# Altium PCB CATS-FAT..PcbDoc (part 2 of 2) (continued)
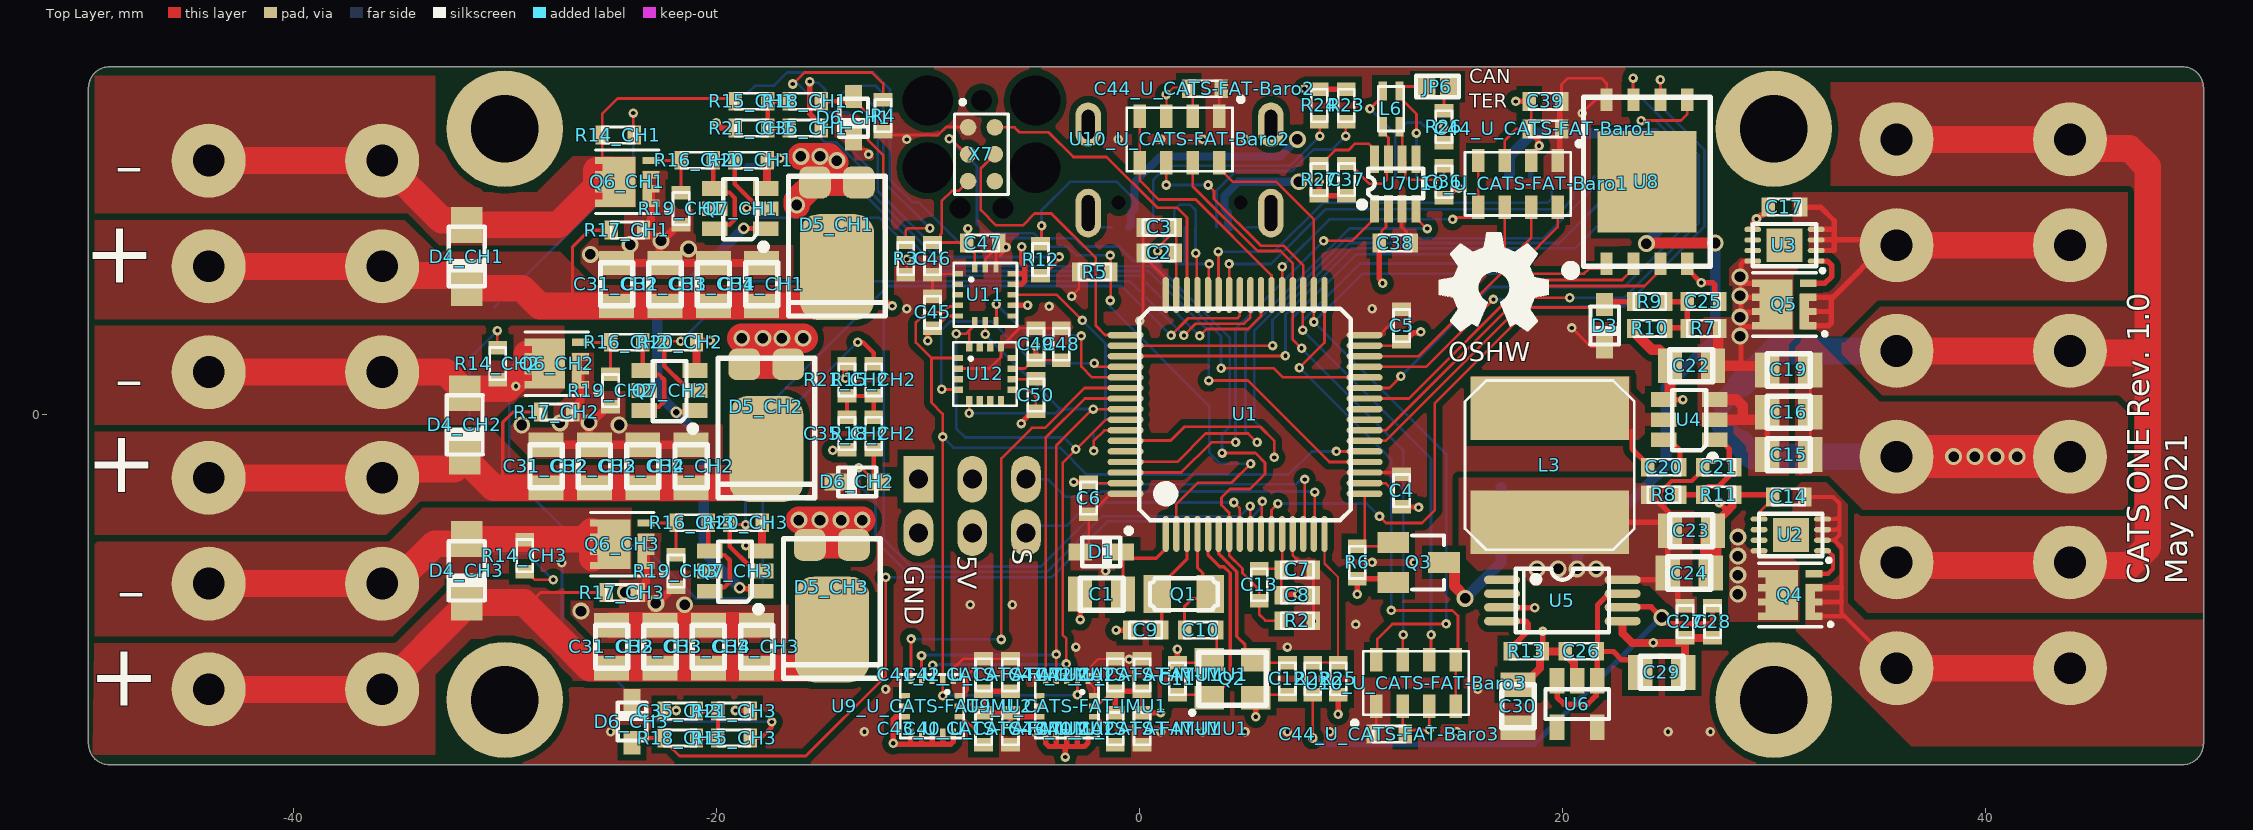
[diagram p0: Top Layer view]
## Nets (pads, with @x,y where several pads share a name; then routed paths per layer and width w, separated by ;. In a path a pad name is that pad's centre, name@x,y a point inside that pad or via, vN(x,y) a via of type N, cw(c..) or ccw(c..) an arc to the next point about the centre after c; other vN are vias at no path point) (continued)
NetR13_2: R13.2 U5.4 | length 3
  Top Layer w0.254: U5.4@17.15,-9.775 18.275,-9.775 18.4,-9.9 18.4,-10.211 17.538,-11.073 R13.2@17.538,-11.2
NetR23_2: R23.2 X8.B5 | length 9.6
  Top Layer w0.127: v1(9.754,13.157) 9.754,13.818 R23.2@9.779,13.843
  Bottom Layer w0.127: X8.B5@3.65,8.85 3.65,10.584 4.572,11.506 7.217,11.506 8.233,12.522 9.119,12.522 v1(9.754,13.157)
NetR24_2: R24.2 X8.A5 | length 11.7
  Top Layer w0.127: R24.2@8.509,13.843 8.534,13.818 v1(8.534,13.157)
  Bottom Layer w0.127: X8.A5@0.65,8.85 0.65,11.089 1.321,11.76 7.137,11.76 v1(8.534,13.157)
NetR27_2: R27.2 U7.8 | length 3.6
  Top Layer w0.127: R27.2@8.5,11.862 8.627,11.862 9.265,12.5 9.9,12.5 10.2,12.8 10.84,12.8 11.125,12.515 U7.8@11.125,12.075
PH1: C31_CH1.2 C32_CH1.2 C33_CH1.2 C34_CH1.2 D4_CH1.K D5_CH1.K R17_CH1.2 X2.2 | length 40.3
  Top Layer w0.152: -27,5.433 -27,5.533 -26.797,5.736 -26.797,7.925 -26.011,8.711 R17_CH1.2@-24.968,8.711
  Top Layer w0.381: -27,5.433 -26.698,5.131 ; C34_CH1.2@-17.856,5.131 -17.578,5.409 -15.856,5.409 D5_CH1.K@-14.3,6.965
  Top Layer w1.27: X2.2@-44,7 X2.2@-35.8,7 -35.373,6.573 D4_CH1.K@-32.308,6.573 ; D4_CH1.K@-31.8,5.965 -29.181,5.965 -28.347,5.131 -26.698,5.131 C31_CH1.2@-24.714,5.131 C32_CH1.2@-22.428,5.131 C33_CH1.2@-20.142,5.131 C34_CH1.2@-17.856,5.131 -15.514,5.131 -14.3,6.345 D5_CH1.K@-14.3,6.965
PH2: C31_CH2.2 C32_CH2.2 C33_CH2.2 C34_CH2.2 D4_CH2.K D5_CH2.K R17_CH2.2 X2.4 | length 38
  Top Layer w0.152: -30.337,-3.166 -30.337,-3.066 -30.099,-2.829 -30.099,-0.381 -29.606,0.112 R17_CH2.2@-28.305,0.112
  Top Layer w0.381: -30.337,-3.166 -30.034,-3.468 ; C34_CH2.2@-21.129,-3.405 -20.914,-3.19 -19.192,-3.19 D5_CH2.K@-17.636,-1.634
  Top Layer w1.27: X2.4@-44,-3 X2.4@-35.8,-3 -35.373,-2.573 -32.373,-2.573 -31.9,-2.1 -30.532,-3.468 -30.034,-3.468 C31_CH2.2@-28.051,-3.468 C32_CH2.2@-25.765,-3.468 C33_CH2.2@-23.479,-3.468 C34_CH2.2@-21.193,-3.468 -18.85,-3.468 -17.636,-2.254 D5_CH2.K@-17.636,-1.634
PH3: C31_CH3.2 C32_CH3.2 C33_CH3.2 C34_CH3.2 D4_CH3.K D5_CH3.K R17_CH3.2 X2.6 | length 42.2
  Top Layer w0.127: -29.098,-8.9 -28.788,-8.9 -28.312,-8.424 R17_CH3.2@-25.205,-8.424 R17_CH3.2@-25.205,-8.551 ; -27.28,-10.719 -27.28,-10.626
  Top Layer w0.381: C34_CH3.2@-18.029,-11.941 -17.815,-11.726 -16.092,-11.726 D5_CH3.K@-14.536,-10.17
  Top Layer w1.27: X2.6@-44,-13 X2.6@-35.8,-13 -31.8,-9 D4_CH3.K@-31.8,-8.9 -29.098,-8.9 -27.28,-10.719 -25.994,-12.004 C31_CH3.2@-24.951,-12.004 C32_CH3.2@-22.665,-12.004 C33_CH3.2@-20.379,-12.004 C34_CH3.2@-18.093,-12.004 -15.75,-12.004 -14.536,-10.79 D5_CH3.K@-14.536,-10.17
PL1: D4_CH1.A Q6_CH1.D R14_CH1.2 R15_CH1.2 X2.1 | length 31.1
  Top Layer w0.127: -25.679,11.532 -25.4,11.811 R14_CH1.2@-25.4,13.208 -25.4,14.199 -24.665,14.934 -19.097,14.934 R15_CH1.2@-19.097,14.807
  Top Layer w0.381: Q6_CH1.D@-25.331,12.002 Q6_CH1.D@-24.933,12.002
  Top Layer w1.27: X2.1@-44,12 X2.1@-35.8,12 -32.98,9.18 -31.915,9.18 -31.8,9.065 D4_CH1.A@-31.8,8.965 -27.468,8.965 -25.679,10.754 -25.679,11.532
PL2: D4_CH2.A Q6_CH2.D R14_CH2.2 R15_CH2.2 X2.3 | length 50.4
  Top Layer w0.203: v1(-13.319,3.414) -13.065,3.414 -12.557,2.906 R15_CH2.2@-12.557,2.398
  Top Layer w1.27: X2.3@-44,2 X2.3@-35.8,2 -32.8,2 D4_CH2.A@-31.9,1.1 ; D4_CH2.A@-31.9,1 D4_CH2.A@-31.9,1.1 ; -29.899,1.215 -31.785,1.215 D4_CH2.A@-31.9,1.1 ; -29.857,1.257 -28.956,2.158 Q6_CH2.D@-28.956,2.87
  Bottom Layer w0.127: v1(-29.473,1.334) -29.791,1.016 -29.791,-2.809 -26.4,-6.2 -23.465,-6.2 -20.965,-8.7 -18.4,-8.7 -17.8,-8.1 -17.8,-1.068 v1(-13.319,3.414)
PL3: D4_CH3.A Q6_CH3.D R14_CH3.2 R15_CH3.2 X2.5 | length 37.9
  Top Layer w0.127: v1(-27.305,-7.01) -27.305,-6.027 -27.178,-5.9
  Top Layer w0.203: R15_CH3.2@-18.4,-15.3 -17.892,-15.3 -17.384,-14.792 v1(-17.384,-14.538)
  Top Layer w1.27: X2.5@-44,-8 X2.5@-35.8,-8 -35.197,-8 -33.312,-6.115 -31.915,-6.115 -31.8,-6 D4_CH3.A@-31.8,-5.9 -27.178,-5.9 -26.271,-5.9 -25.908,-5.537 -25.857,-5.588 -25.857,-6.138 -25.857,-6.782
  Bottom Layer w0.127: v1(-27.305,-7.01) -27.296,-7.02 -27.296,-10.004 -22.762,-14.538 v1(-17.384,-14.538)
PYRO1: Q7_CH1.2 R20_CH1.2 U1.39 | length 32.1
  Top Layer w0.127: v1(-18.567,9.754) -17.698,9.754 Q7_CH1.2@-17.672,9.727 ; v1(2.845,3.708) 3.175,4.039 5.141,4.039 5.75,4.648 U1.39@5.75,5.65
  Top Layer w0.203: R20_CH1.2@-19.126,12.013 -19.126,10.894 -18.208,9.976 -17.92,9.976 Q7_CH1.2@-17.698,9.754
  Bottom Layer w0.127: v1(-18.567,9.754) -18.114,9.3 -12.3,9.3 -9.553,6.553 0,6.553 v1(2.845,3.708)
PYRO2: Q7_CH2.2 R20_CH2.2 U1.40 | length 34.4
  Top Layer w0.127: R20_CH2.2@-22.463,3.414 -22.422,3.454 v1(-21.692,3.454) ; v1(2.108,3.734) 2.667,4.293 4.953,4.293 5.25,4.59 U1.40@5.25,5.65
  Top Layer w0.203: R20_CH2.2@-22.463,3.414 -22.463,2.295 -21.544,1.376 -21.257,1.376 Q7_CH2.2@-21.009,1.128
  Bottom Layer w0.127: v1(-21.692,3.454) -18.847,6.299 -0.457,6.299 v1(2.108,3.734)
PYRO3: Q7_CH3.2 R20_CH3.2 U1.41 | length 36.9
  Top Layer w0.127: R20_CH3.2@-19.363,-5.122 -19.278,-5.207 v1(-18.618,-5.207) ; v1(1.499,3.734) 2.311,4.547 4.63,4.547 4.75,4.666 U1.41@4.75,5.65
  Top Layer w0.203: R20_CH3.2@-19.363,-5.122 -19.363,-6.241 -18.444,-7.16 -18.157,-7.16 Q7_CH3.2@-17.909,-7.408
  Bottom Layer w0.127: v1(-18.618,-5.207) -18.618,-0.66 -11.887,6.071 -0.838,6.071 v1(1.499,3.734)
QSPI_CLK: U1.29 U8.6 | length 27.8
  Top Layer w0.127: U1.29@10.65,2.25 13.553,2.25 v1(16.739,5.436) ; U8.6@24.635,14.875 24.638,14.878 v1(24.638,15.824)
  Bottom Layer w0.127: v1(16.739,5.436) 17.348,5.436 17.688,5.096 20.826,5.096 20.835,5.105 22.936,5.105 26.721,8.89 26.721,12.496 24.638,14.579 v1(24.638,15.824)
QSPI_IO0: U1.27 U8.5 | length 27.8
  Top Layer w0.127: U1.27@10.65,1.25 11.816,1.25 v1(12.37,1.803) ; v1(23.724,13.894) 25.603,13.894 25.908,14.199 25.908,14.872 U8.5@25.905,14.875
  Bottom Layer w0.127: v1(12.37,1.803) 16.586,6.02 22.911,6.02 26.137,9.246 26.137,12.167 24.409,13.894 v1(23.724,13.894)
QSPI_IO1: U1.26 U8.2 | length 15.5
  Top Layer w0.127: U1.26@10.65,0.75 12.739,0.75 18.339,6.35 22.83,6.35 23.365,6.885 U8.2@23.365,7.125
QSPI_IO2: U1.23 U8.3 | length 17.1
  Top Layer w0.127: U1.23@10.65,-0.75 11.671,-0.75 18.496,6.075 23.885,6.075 U8.3@24.635,6.825
QSPI_IO3: U1.22 U8.7 | length 29.2
  Top Layer w0.127: U1.22@10.65,-1.25 11.628,-1.25 18.39,5.512 v1(20.345,5.512) ; v1(23.343,15.9) 23.343,14.897 U8.7@23.365,14.875
  Bottom Layer w0.127: v1(20.345,5.512) 22.911,5.512 26.441,9.042 26.441,12.259 23.343,15.357 v1(23.343,15.9)
QSPI_NCS: U1.30 U8.1 | length 13.4
  Top Layer w0.127: U1.30@10.65,2.75 13.189,2.75 17.094,6.655 21.031,6.655 21.261,6.885 22.095,6.885 U8.1@22.095,7.125
RST: C13.2 R2.1 U1.7 X7.3 | length 38.2
  Top Layer w0.127: v1(-8.992,13.03) -8.911,13.03 -8.181,12.3 X7.3@-8.1,12.3 ; v1(3.912,-1.829) 5.486,-1.829 5.944,-2.286 5.944,-2.819 5.232,-3.531 4.293,-3.531 3.886,-3.937 3.886,-4.293 4.25,-4.656 U1.7@4.25,-5.65 4.25,-6.663 4.877,-7.29 4.877,-7.505 5.668,-8.296 C13.2@5.668,-8.816 5.668,-9.454 5.968,-9.754 R2.1@6.706,-9.754
  Bottom Layer w0.127: v1(-8.992,13.03) -7.672,11.711 -7.672,8.993 -7.248,8.569 -5.013,8.569 -4.775,8.331 -3.073,8.331 -2.676,7.934 -0.974,7.934 -0.305,7.264 0.628,7.264 4.276,3.616 4.276,-0.575 3.912,-0.94 v1(3.912,-1.829)
SERVO1: U1.14 X4.5 | length 16.5
  Top Layer w0.127: U1.14@7.75,-5.65 7.823,-5.577 v1(7.823,-3.073)
  Bottom Layer w0.127: X4.5@-5.36,-3.06 -4.34,-3.06 -3.5,-3.9 -2.698,-3.9 -2.1,-3.302 7.402,-3.302 7.631,-3.073 v1(7.823,-3.073)
SERVO2: U1.15 X4.6 | length 16.5
  Top Layer w0.127: U1.15@8.25,-5.65 8.293,-5.607 v1(8.293,-3.67)
  Bottom Layer w0.127: X4.6@-5.36,-5.6 -5.024,-5.263 -3.415,-5.263 -1.8,-3.648 8.271,-3.648 v1(8.293,-3.67)
SPI1_MISO: U1.56 U9_U_CATS-FAT-IMU1.4 U9_U_CATS-FAT-IMU2.4 U11.7 U12.5 | length 34.6
  Top Layer w0.127: U9_U_CATS-FAT-IMU2.4@-10.3,-12.5 v1(-10.3,-11.4) ; v1(-8.052,0.051) -8.047,0.056 -8.047,0.636 U12.5@-8.042,0.641 ; v1(-7.29,3.785) -7.281,3.793 U11.7@-7.281,4.354 ; U9_U_CATS-FAT-IMU1.4@-3.929,-12.5 -3.929,-1.465 -3.394,-0.93 -2.214,0.25 U1.56@-0.65,0.25
  Bottom Layer w0.127: v1(-10.3,-11.4) -10.275,-11.375 -3.95,-11.375 v1(-3.925,-11.35) ; v1(-8.052,0.051) -3.962,0.051 -3.759,0.254 ; v1(-7.29,3.785) -3.759,0.254 ; v1(-2.184,0.254) -3.759,0.254
SPI1_MOSI: U1.57 U9_U_CATS-FAT-IMU1.3 U9_U_CATS-FAT-IMU2.3 U11.6 U12.16 | length 33.6
  Top Layer w0.127: U9_U_CATS-FAT-IMU2.3@-9.8,-12.5 -9.787,-12.487 -9.787,-11.862 v1(-9.775,-11.85) ; v1(-8.661,3.81) -8.2,3.81 -8.042,3.968 ; U12.16@-8.042,3.191 -8.042,3.968 ; U11.6@-7.781,4.354 -7.781,4.229 -8.042,3.968 ; U9_U_CATS-FAT-IMU1.3@-3.429,-12.5 -3.45,-12.479 v1(-3.45,-11.8) -3.45,-10.6 -3.625,-10.425 -3.625,-2.304 -1.571,-0.25 U1.57@-0.65,-0.25
  Bottom Layer w0.127: v1(-9.775,-11.85) -9.75,-11.825 -3.475,-11.825 v1(-3.45,-11.8) ; v1(-8.661,3.81) -8.661,-0.66 -8.23,-1.092 -3.556,-1.092 v1(-2.997,-1.651)
SPI1_SCK: U1.21 U9_U_CATS-FAT-IMU1.2 U9_U_CATS-FAT-IMU2.2 U11.4 U12.1 | length 50
  Top Layer w0.127: v1(-9.3,-13.3) U9_U_CATS-FAT-IMU2.2@-9.3,-12.5 -9.3,0.029 -9.83,0.559 -9.83,2.666 ; U11.4@-8.581,5.154 -8.63,5.105 -8.992,5.105 -9.271,4.826 -10.084,4.826 -10.566,4.343 -10.566,3.403 -9.83,2.666 ; U12.1@-8.567,2.666 -9.83,2.666 ; U9_U_CATS-FAT-IMU1.2@-2.929,-12.5 -2.927,-12.502 -2.927,-13.248 v1(-2.925,-13.25) ; v1(9.319,-1.75) U1.21@10.65,-1.75
  Bottom Layer w0.127: v1(-9.3,-13.3) -9.275,-13.275 -2.95,-13.275 v1(-2.925,-13.25) ; v1(-9.296,-1.067) -8.788,-1.575 -3.759,-1.575 -2.489,-2.845 7.061,-2.845 8.156,-1.75 v1(9.319,-1.75)
SPI2_MISO: U1.35 U10_U_CATS-FAT-Baro1.6 U10_U_CATS-FAT-Baro2.6 U10_U_CATS-FAT-Baro3.6 | length 43.9
  Top Layer w0.127: v1(1.27,10.846) 1.27,11.895 U10_U_CATS-FAT-Baro2.6@1.275,11.9 ; v1(3.251,10.846) 3.531,10.566 3.531,10.185 5.74,7.976 6.807,7.976 7.75,7.033 U1.35@7.75,5.65 7.722,5.622 v1(7.722,3.988) ; U10_U_CATS-FAT-Baro3.6@13.706,-11.6 13.792,-11.514 v1(13.792,-10.414) ; v1(16.612,7.137) 17.275,7.801 U10_U_CATS-FAT-Baro1.6@17.275,9.8
  Bottom Layer w0.127: v1(1.27,10.846) v1(3.251,10.846) ; v1(13.792,-10.414) 13.792,-2.083 v1(7.722,3.988) 7.722,4.423 10.436,7.137 v1(16.612,7.137)
SPI2_MOSI: U1.36 U10_U_CATS-FAT-Baro1.7 U10_U_CATS-FAT-Baro2.7 U10_U_CATS-FAT-Baro3.7 | length 44.6
  Top Layer w0.127: U10_U_CATS-FAT-Baro2.7@2.525,11.9 2.525,10.785 5.588,7.722 6.68,7.722 7.25,7.152 U1.36@7.25,5.65 7.25,3.545 v1(7.671,3.124) ; U10_U_CATS-FAT-Baro3.7@12.456,-11.6 12.456,-10.429 v1(12.471,-10.414) ; v1(17.323,7.137) 18.525,8.34 U10_U_CATS-FAT-Baro1.7@18.525,9.8
  Bottom Layer w0.127: v1(12.471,-10.414) 12.471,-1.676 v1(7.671,3.124) 7.214,3.581 7.214,4.547 10.236,7.569 16.866,7.569 17.297,7.137 v1(17.323,7.137)
SPI2_SCK: U1.34 U10_U_CATS-FAT-Baro1.8 U10_U_CATS-FAT-Baro2.8 U10_U_CATS-FAT-Baro3.8 | length 46.3
  Top Layer w0.127: U10_U_CATS-FAT-Baro2.8@3.775,11.9 3.775,11.65 4.427,10.998 6.477,10.998 8.25,9.225 U1.34@8.25,5.65 8.252,5.648 8.252,4.371 v1(8.255,4.369) ; U10_U_CATS-FAT-Baro3.8@11.206,-11.6 11.252,-11.554 11.252,-10.614 11.96,-9.906 v1(14.503,-9.906) ; v1(18.059,7.137) 19.775,8.853 U10_U_CATS-FAT-Baro1.8@19.775,9.8
  Bottom Layer w0.127: v1(14.503,-9.906) 14.503,-1.88 v1(8.255,4.369) 10.541,6.655 17.577,6.655 v1(18.059,7.137)
SWCLK: U1.49 X7.4 | length 14.5
  Top Layer w0.127: X7.4@-6.83,12.3 -7.493,11.637 -7.493,9.66 -6.774,8.941 -5.512,8.941 -4.953,9.5 -4.166,9.5 -2.057,7.391 -2.057,4.191 -1.616,3.75 U1.49@-0.65,3.75
SWDIO: U1.46 X7.2 | length 14.5
  Top Layer w0.127: X7.2@-6.83,13.57 -5.905,13.57 -5.674,13.339 -4.295,13.339 -3.122,12.167 -1.549,12.167 0.846,9.771 1.786,9.771 2.25,9.307 U1.46@2.25,5.65
UART1_RX: U1.43 X6.3 | length 19.9
  Top Layer w0.127: v1(3.734,7.696) 3.742,7.688 3.742,5.658 U1.43@3.75,5.65
  Bottom Layer w0.127: v1(3.734,7.696) 6.375,7.696 8.679,10 19.3,10 19.5,10.2 X6.3@19.5,11.25
UART1_TX: U1.42 X6.4 | length 20.1
  Top Layer w0.127: v1(4.242,7.112) 4.246,7.108 4.246,5.654 U1.42@4.25,5.65
  Bottom Layer w0.127: v1(4.242,7.112) 6.223,7.112 8.811,9.7 20,9.7 20.5,10.2 X6.4@20.5,11.25
USB_DET: R22.2 R25.1 U1.16 | length 7.4
  Top Layer w0.102: R22.2@8.2,-11.738 R25.1@9.273,-11.738 ; U1.16@8.75,-5.65 8.75,-7.048 9.4,-7.698 R25.1@9.4,-11.738
USB_N: U1.44 X8.A7 X8.B7 | length 6.8
  Top Layer w0.127: U1.44@3.25,5.65 3.276,5.676 3.276,7.086 v1(3.302,7.112)
  Bottom Layer w0.127: X8.B7@1.15,8.85 1.15,8.023 1.279,7.894 1.279,7.56 1.727,7.112 2.159,7.112 ; X8.A7@2.15,8.85 2.15,7.121 2.159,7.112 ; v1(3.302,7.112) 2.159,7.112
USB_P: U1.45 X8.A6 X8.B6 | length 6.1
  Top Layer w0.127: v1(2.667,7.62) 2.712,7.575 2.712,5.688 U1.45@2.75,5.65
  Bottom Layer w0.127: X8.A6@1.65,8.85 1.65,9.651 1.905,9.906 2.413,9.906 2.667,9.652 2.667,8.85 2.658,8.842 2.658,7.629 v1(2.667,7.62)
V_BAT: D3.A R9.1 U1.11 | length 26.1
  Top Layer w0.127: U1.11@6.25,-5.65 6.25,-4.52 v1(6.553,-4.216) ; v1(11.354,-4.826) 11.659,-5.131 13.36,-5.131 13.97,-4.521 13.97,0.533 18.487,5.05 22,5.05 D3.A@22,5.2
  Top Layer w0.254: D3.A@22,5.2 22.134,5.334 R9.1@23.368,5.334
  Bottom Layer w0.127: v1(6.553,-4.216) 10.744,-4.216 v1(11.354,-4.826)
V_PYRO1: D6_CH1.A R18_CH1.1 U1.8 | length 43.1
  Top Layer w0.127: D6_CH1.A@-13.411,14.783 -12.827,14.199 -12.827,12.979 -12.116,12.268 -12.116,8.81 -11.963,8.658 -11.963,5.439 -11.684,5.16 v1(-11.684,5.131) ; v1(4.47,-4.166) 4.75,-4.445 U1.8@4.75,-5.65
  Top Layer w0.203: R18_CH1.1@-15.033,14.807 -13.731,14.807 D6_CH1.A@-13.509,15.029
  Bottom Layer w0.127: v1(-11.684,5.131) -12.09,4.724 -12.09,-5.893 -10.795,-7.188 -4.648,-7.188 -1.626,-4.166 v1(4.47,-4.166)
V_PYRO2: D6_CH2.A R18_CH2.1 U1.9 | length 27.2
  Top Layer w0.127: v1(-13.259,-2.515) -13.197,-2.576 -13.098,-2.576 -12.595,-3.079 D6_CH2.A@-12.445,-3.079 ; v1(5.232,-4.343) 5.241,-4.352 5.241,-5.641 U1.9@5.25,-5.65
  Top Layer w0.203: R18_CH2.1@-12.557,-1.666 -12.557,-2.968 D6_CH2.A@-12.445,-3.079
  Bottom Layer w0.127: v1(-13.259,-2.515) -13.259,-3.327 -12.471,-4.115 -12.471,-5.969 -10.998,-7.442 -4.369,-7.442 -1.736,-4.81 4.766,-4.81 v1(5.232,-4.343)
V_PYRO3: D6_CH3.A R18_CH3.1 U1.10 | length 39.8
  Top Layer w0.127: R18_CH3.1@-22.464,-15.3 -22.464,-15.427 -22.047,-15.844 -22.047,-15.85 -21.742,-16.154 -15.773,-16.154 -11.989,-12.37 v1(-11.989,-7.696) ; U1.10@5.75,-5.65 5.783,-5.617 5.783,-4.148 v1(5.817,-4.115)
  Top Layer w0.203: D6_CH3.A@-23.988,-15.522 -23.766,-15.3 R18_CH3.1@-22.464,-15.3
  Bottom Layer w0.127: v1(-11.989,-7.696) -4.14,-7.696 -1.499,-5.055 5.131,-5.055 5.755,-4.431 5.755,-4.177 v1(5.817,-4.115)
VBAT: C15.2 C16.2 C19.2 C22.2 D5_CH1.A D5_CH2.A D5_CH3.A Q4.D Q5.D R7.2 U2.8 U3.8 U4.2 U4.3 | length 36.5
  Top Layer w0.254: 28.448,2.3 v2@28.448,4.064 ; v2@28.592,5.537 Q5.D@29.371,5.537 ; v2@28.597,6.205 Q5.D@29.375,6.205 29.423,6.157 29.648,6.157 29.648,5.652 Q5.D@29.765,5.535 ; U3.8@29,7.25 28.998,7.248 28.597,7.248 28.448,7.099 v2@28.448,4.677 ; Q5.D@29.375,4.826 28.597,4.826 v2@28.448,4.677 ; Q5.D@29.452,4.147 28.531,4.147 v2@28.448,4.064 ; C15.2@29.684,-1.9 C16.2@29.684,0.068 ; v2@28.448,4.064 v2@28.448,4.677
  Top Layer w0.508: U4.2@27.2,-0.25 28.524,-0.25 ; U4.3@27.2,0.7 28.227,0.7 28.524,0.402 28.524,-0.25 ; R7.2@27.362,4.1 27.362,2.546 C22.2@27.116,2.3 28.448,2.3 29.484,2.3 C19.2@29.684,2.1 ; C16.2@29.684,0.068 29.366,-0.25 28.524,-0.25
  Top Layer w1.27: v2(-16.2,9.9) -16.2,10.105 D5_CH1.A@-15.34,10.965 D5_CH1.A@-13.26,10.965 ; v2(-16.1,-5) v2(-15.1,-5) v2(-14.1,-5) v2(-13.1,-5) ; v2(-16,12.2) v2(-15.1,12.2) -14.672,12.2 v2@-14.386,11.914 ; D5_CH3.A@-15.576,-6.17 D5_CH3.A@-13.496,-6.17
  Top Layer w1.397: v2(-18.8,3.6) v2(-17.8,3.6) v2(-16.9,3.6) v2(-15.9,3.6) ; D5_CH2.A@-18.676,2.366 D5_CH2.A@-16.596,2.366
  other v2: 28.3,-8.5 28.3,-7.6 28.3,-6.7 28.3,-5.8 28.4,3.7 28.4,4.6 28.4,5.6 28.4,6.5 -14.3,12
VBUS: C28.2 R12.2 R22.1 U5.6 X8.A4B9 X8.B4A9 | length 102.5
  Top Layer w0.127: R12.2@-4.674,8.077 -4.623,8.128 v1(-4.623,8.915) ; v1(8.2,-15.3) 8.2,-13.462 8.1,-13.362 R22.1@8.2,-13.262
  Top Layer w0.254: U5.6@22.85,-9.125 22.875,-9.1 24.2,-9.1 v2(24.7,-9.6) 25,-9.9 27.1,-9.9 C28.2@27.1,-9.038
  Mid Layer 2 w0.762: v2(7.544,10.998) 7.544,11.008 7.468,11.085 v2(7.468,13.005) 7.475,13.012 7.475,14.038 8.97,15.533 21.957,15.533 22.682,14.808 24.092,14.808 26.594,12.306 26.594,10.789 30.175,7.207 30.175,-8.825 29,-10 25.1,-10 v2(24.7,-9.6)
  Bottom Layer w0.127: v1(-4.623,8.915) -4.623,9.652 -3.277,10.998 -1.065,10.998 -0.352,10.284
  Bottom Layer w0.254: v1(8.2,-15.3) 8.5,-15.6 18.661,-15.6 24.661,-9.6 v2(24.7,-9.6)
  Bottom Layer w0.381: X8.A4B9@-0.5,8.85 -0.391,8.959 -0.391,9.537 -0.225,9.703 -0.225,10.976 1,12.2 6.663,12.2 v2(7.468,13.005) ; X8.B4A9@4.3,8.85 4.19,8.959 4.19,9.537 4.024,9.703 4.024,10.337 4.686,10.998 v2(7.544,10.998)
pads on no net: LS1.NC Q7_CH1.5 Q7_CH2.5 Q7_CH3.5 U1.24 U1.25 U1.60 U2.6 U2.7 U2.PAD U3.6 U3.7 U3.PAD U5.1 U5.2 U6.4 U7.5 U8.PAD U9_U_CATS-FAT-IMU1.6 U9_U_CATS-FAT-IMU1.7 U9_U_CATS-FAT-IMU2.6 U9_U_CATS-FAT-IMU2.7 U11.2 U11.3 U11.9 U12.3 U12.6 U12.7 U12.8 U12.12 U12.14 U12.15 X3.NC X6.NC X7.6 X7.NC X8.A8 X8.B8 X8.NC

## Polygon pours and split planes (outlines as drawn)
3V3 on Top Layer "Top Layer-No Net1" (solid, remove dead copper, pour order 53): -48.686,-16.566 cw(c-48.686,-15.566) -49.686,-15.566 -49.686,15.434 cw(c-48.686,15.434) -48.686,16.434 49.314,16.434 cw(c49.314,15.434) 50.314,15.434 50.314,-15.566 cw(c49.314,-15.566) 49.314,-16.566
NetC17_2 on Top Layer "Top Layer-NetC17_2" (solid, remove dead copper, pour order 43): 31.1,3.7 33.2,3.7 34.9,5.4 47,5.4 47,10.3 46.8,10.5 30.9,10.5 30.9,3.9
NetC14_2 on Top Layer "Top Layer-NetC14_2" (solid, remove dead copper, pour order 39): 50.3,-9.7 34.3,-9.7 33.5,-8.9 33.5,-4.1 32.5,-3.1 31.4,-3.1 30.9,-3.6 30.9,-10.1 36.5,-15.7 50.3,-15.7
GND on Top Layer "Top Layer-GND" (solid, remove dead copper, pour order 36): -25.7,9.8 -27.5,8 -27.5,7.9 -25.8,6.2 -25.8,6.1 -16.186,6.1 -16.2,6.114 -16.2,8 -20.5,8 -21.1,8.6 -21.1,9.7 -21.8,9.7 -22.3,10.2 -22.3,11.7 -23.8,11.7 -23.8,9.8
GND on Top Layer "Top Layer-GND 1" (solid, remove dead copper, pour order 34): -27.6,0.8 -29.3,0.8 -30.6,-0.5 -30.6,-0.7 -28.9,-2.4 -19.6,-2.4 -19.6,-0.5 -24,-0.5 -24.3,-0.2 -24.3,1.1 -25.3,1.1 -25.8,1.6 -25.8,3.1 -27.2,3.1 -27.2,1.2
GND on Top Layer "Top Layer-GND 2" (solid, remove dead copper, pour order 32): -27.2,-7.5 -27.2,-9.6 -25.7,-11.1 -16.5,-11.1 -16.5,-9 -21,-9 -21.2,-8.8 -21.2,-7.4 -22.3,-7.4 -22.6,-7.1 -22.6,-5.5 -24,-5.5 -24,-7.5
PH3 on Top Layer "Top Layer-PH3" (solid, remove dead copper, pour order 30): -49.4,-10.5 -35.3,-10.5 -32.3,-7.5 -27.2,-7.5 -27.2,-9.6 -25.7,-11.1 -15.6,-11.1 -15.6,-12.6 -26.8,-12.6 -26.8,-12.5 -28.7,-10.6 -31.6,-10.6 -33.3,-12.3 -33.3,-16.1 -49.495,-16.1
PL3 on Top Layer "Top Layer-PL3" (solid, remove dead copper, pour order 28): -49.4,-5.7 -35.6,-5.7 -34,-4.1 -24,-4.1 -24,-7.5 -25.4,-7.5 -32.3,-7.5 -35.3,-10.5 -49.4,-10.5
PL2 on Top Layer "Top Layer-PL2" (solid, remove dead copper, pour order 24): -49.4,4.5 -27.2,4.5 -27.2,1.2 -27.6,0.8 -29.3,0.8 -30.6,-0.5 -49.4,-0.5
VBAT on Top Layer "Top Layer-VBAT" (solid, remove dead copper, pour order 14): 31.2,-9.8 27.8,-9.8 27.8,-5 28.3,-4.5 28.9,-4.5 28.9,-6.1 29,-6.2 29.6,-6.2 29.8,-6.4 29.8,-6.8 30.9,-6.8 31.2,-7.1
5V on Top Layer "Top Layer-5V" (solid, remove dead copper, pour order 12): 15.1,-3 15.1,-6.5 16,-7.4 17.9,-7.4 18.6,-8.1 24.1,-8.1 25.4,-9.4 26.4,-9.4 26.4,-4.6 26.2,-4.4 25.4,-4.4 23.6,-3
VBAT on Top Layer "Top Layer-VBAT 1" (solid, remove dead copper, pour order 0): 31.1,7.4 28.4,7.4 27.9,6.9 27.9,4.8 26.9,4.8 26.4,4.3 26.4,-0.4 26.8,-0.8 28,-0.8 28.7,-1.5 28.7,-2.9 30.7,-2.9 30.7,3.3 31.1,3.7
BGND on Top Layer "Top Layer-BGND" (solid, remove dead copper, pour order 49): 32.7,10.5 32.7,15.7 50.3,15.7 50.3,-9.7 34.3,-9.7 33.5,-8.9 33.5,-4.6 33.6,-4.5 46.5,-4.5 46.8,-4.2 46.8,0 46.2,0.6 35,0.6 33.2,2.4 33.2,3.7 34.9,5.4 47,5.4 47,10.3 46.8,10.5
GND on Top Layer "Top Layer-GND 3" (solid, remove dead copper, pour order 16): 31.1,3.7 30.7,3.3 30.7,-2.9 32.6,-2.9 34.2,-4.5 46.5,-4.5 46.8,-4.2 46.8,0 46.2,0.6 35,0.6 31.9,3.7
PH2 on Top Layer "Top Layer-PH2" (solid, remove dead copper, pour order 26): -49.4,-0.5 -30.6,-0.5 -30.6,-0.7 -28.9,-2.4 -19.1,-2.4 -19.1,-4.1 -34,-4.1 -35.6,-5.7 -49.4,-5.7
PH1 on Top Layer "Top Layer-PH1" (solid, remove dead copper, pour order 22): -49.4,9.5 -34.6,9.5 -33.1,8 -27.7,8 -25.8,6.1 -15.6,6.1 -15.6,4.5 -49.4,4.5
PL1 on Top Layer "Top Layer-PL1" (solid, remove dead copper, pour order 20): -49.4,16 -49.4,9.5 -34.6,9.5 -33.1,8 -27.5,8 -25.7,9.8 -23.8,9.8 -23.8,12.2 -26.8,12.2 -28.5,10.5 -31,10.5 -33.3,12.8 -33.3,16
NetC20_2 on Top Layer "Top Layer-NetC20_2" (solid, remove dead copper, pour order 18): 15.7,1.8 15.7,-1.2 23.6,-1.2 24.2,-0.6 25.5,-0.6 25.5,0.2 24.1,0.2 23.2,1.1 23.2,1.8
3V3 on Mid Layer 2 "Top Layer-No Net2" (solid, remove dead copper, pour order 54): -48.686,-16.566 cw(c-48.686,-15.566) -49.686,-15.566 -49.686,15.434 cw(c-48.686,15.434) -48.686,16.434 49.314,16.434 cw(c49.314,15.434) 50.314,15.434 50.314,-15.566 cw(c49.314,-15.566) 49.314,-16.566
5V on Mid Layer 2 "Mid Layer 2-5V" (solid, remove dead copper, pour order 51): -8.95,-1.4 -9,-1.45 -9,-7.1 -7.9,-8.2 -3.8,-8.2 -1.8,-6.2 18.2,-6.2 18.2,-8 22.1,-8 23.9,-6.2 23.9,-5.3 20,-1.4
VBAT on Mid Layer 2 "Mid Layer 2-VBAT" (solid, remove dead copper, pour order 8): 29.4,7.1 27.4,7.1 23.1,2.8 -11.1,2.8 -13.15,4.85 -13.15,12.9 -16.5,12.9 -16.6,13 -16.6,6.7 -19.6,3.7 -19.6,-5.1 -16.8,-7.9 -11.7,-7.9 -11.7,-2 -11.1,-1.4 20,-1.4 27.7,-9.1 29.4,-9.1
GND on Bottom Layer "Top Layer-No Net" (solid, remove dead copper, pour order 58): -48.686,-16.566 cw(c-48.686,-15.566) -49.686,-15.566 -49.686,15.434 cw(c-48.686,15.434) -48.686,16.434 49.314,16.434 cw(c49.314,15.434) 50.314,15.434 50.314,-15.566 cw(c49.314,-15.566) 49.314,-16.566
GND on Mid Layer 1 "Top Layer-No Net3" (solid, remove dead copper, pour order 59): -48.686,-16.566 cw(c-48.686,-15.566) -49.686,-15.566 -49.686,15.434 cw(c-48.686,15.434) -48.686,16.434 49.314,16.434 cw(c49.314,15.434) 50.314,15.434 50.314,-15.566 cw(c49.314,-15.566) 49.314,-16.566

## Silkscreen, mask and mechanical layers (free items; w line width, h text height)
Top Overlay:
  region: 2511 vertices and 0 holes, not listed, extent 14.161,3.928 19.367,8.607
  text "CAN / TER" at 15.6,14.266 h1.14
  text "-" at -47.025,9.591 h5.08
  text "+" at -46.5,5.261 h5.08
  text "OSHW" at 14.613,2.2 h1.52
  text "-" at -47.025,-0.509 h5.08
  text "+" at -46.4,-4.639 h5.08
  text "S" at -6.3,-6.353 h1.52 r270
  text "5V" at -8.9,-6.653 h1.52 r270
  text "GND" at -11.4,-7.153 h1.52 r270
  text "CATS ONE Rev. 1.0 / May 2021" at 49.905,-8.025 h1.8 r90
  text "-" at -46.925,-10.509 h5.08
  text "+" at -46.3,-14.739 h5.08
Bottom Overlay:
  drawing of 65 lines, arcs and shapes, not listed
  text "STATUS" at -14.578,12.6 h1.52 r90
  text "FAULT" at -13.178,12.6 h1.52 r90
  text "USB" at -11.878,12.6 h1.52 r90
  text "5V" at 17.169,7.7 h1.14 r270
  text "RX" at 19.186,7.7 h1.14 r270
  text "TX" at 20.086,7.7 h1.14 r270
  text "IO1" at 21.158,7.6 h1.14 r270
  text "IO2" at 22.158,7.6 h1.14 r270
  text "IO3" at 23.158,7.6 h1.14 r270
  text "GND" at 10.658,7.4 h1.14 r270
  text "GND" at 18.158,7.3 h1.14 r270
  text "GND" at 24.258,7.3 h1.14 r270
  text "-" at 31.475,7.091 h5.08
  text "CANH" at 11.658,7 h1.14 r270
  text "CANL" at 12.758,7 h1.14 r270
  text "CH1" at -27.2,4.9 h1.52
  text "GROUND" at -9.653,4.625 h1.52 r90
  text "SIGNAL" at -4.653,3.925 h1.52 r90
  text "+" at 32,3.861 h5.08
  text "POWER" at -7.053,3.825 h1.52 r90
  text "SW" at 31.7,0.678 h1.52
  text "CH2" at -27.1,-1 h1.52
  text "Error Codes" at 14.8,-1.2 h2.03
  text "SW" at 31.7,-2.522 h1.52
  text "CH2" at -12.3,-3.822 h1.52
  text "NO CONFIG" at 14.7,-4.2 h1.14
  text "NO PYRO DET" at 14.7,-5.7 h1.14
  text "CH1" at -12.3,-6.4 h1.52
  text "CH3" at -27,-6.7 h1.52
  text "-" at 31.5,-7.109 h5.08
  text "LOG FULL" at 14.7,-7.2 h1.14
  text "BAT LOW" at 14.7,-8.8 h1.14
  text "BAT CRITICAL" at 14.7,-10.3 h1.14
  text "+" at 32,-10.439 h5.08
  text "SERVO" at -11.8,-10.9 h1.52 r90
  text "IMU ERROR" at 14.7,-11.8 h1.14
  text "BARO ERROR" at 14.7,-13.3 h1.14
  text "LUCA JOST" at -14.85,-13.95 h1.14
  text "JONAS BINZ" at -14.85,-15.1 h1.14
  text "FILTER ERROR" at 14.7,-15.56 h1.14
  text "HARD FAULT" at 14.7,-16.3 h1.14
  text "NEMANJA STOJOSKI" at -14.85,-16.35 h1.14
Mechanical 1:
  lines w0.152: -49.686,-15.566 ccw(c-48.686,-15.566) -48.686,-16.566 -33.416,-16.566 42.584,-16.566 49.314,-16.566 ccw(c49.314,-15.566) 50.314,-15.566 50.314,15.434 ccw(c49.314,15.434) 49.314,16.434 42.584,16.434 -33.416,16.434 -48.686,16.434 ccw(c-48.686,15.434) -49.686,15.434 -49.686,-15.566